# Altium PCB PCB1.PcbDoc (part 3 of 3)
Units mm, origin at the board's own origin, x right, y up, seen from the top; angles counter-clockwise.
Board outline 125 x 102 mm, 4 copper layers (Top Layer, Layer 1, Layer 2, Bottom Layer), stack 1.636 mm thick; 299 components, 151 nets, 856 pads, 587 vias.
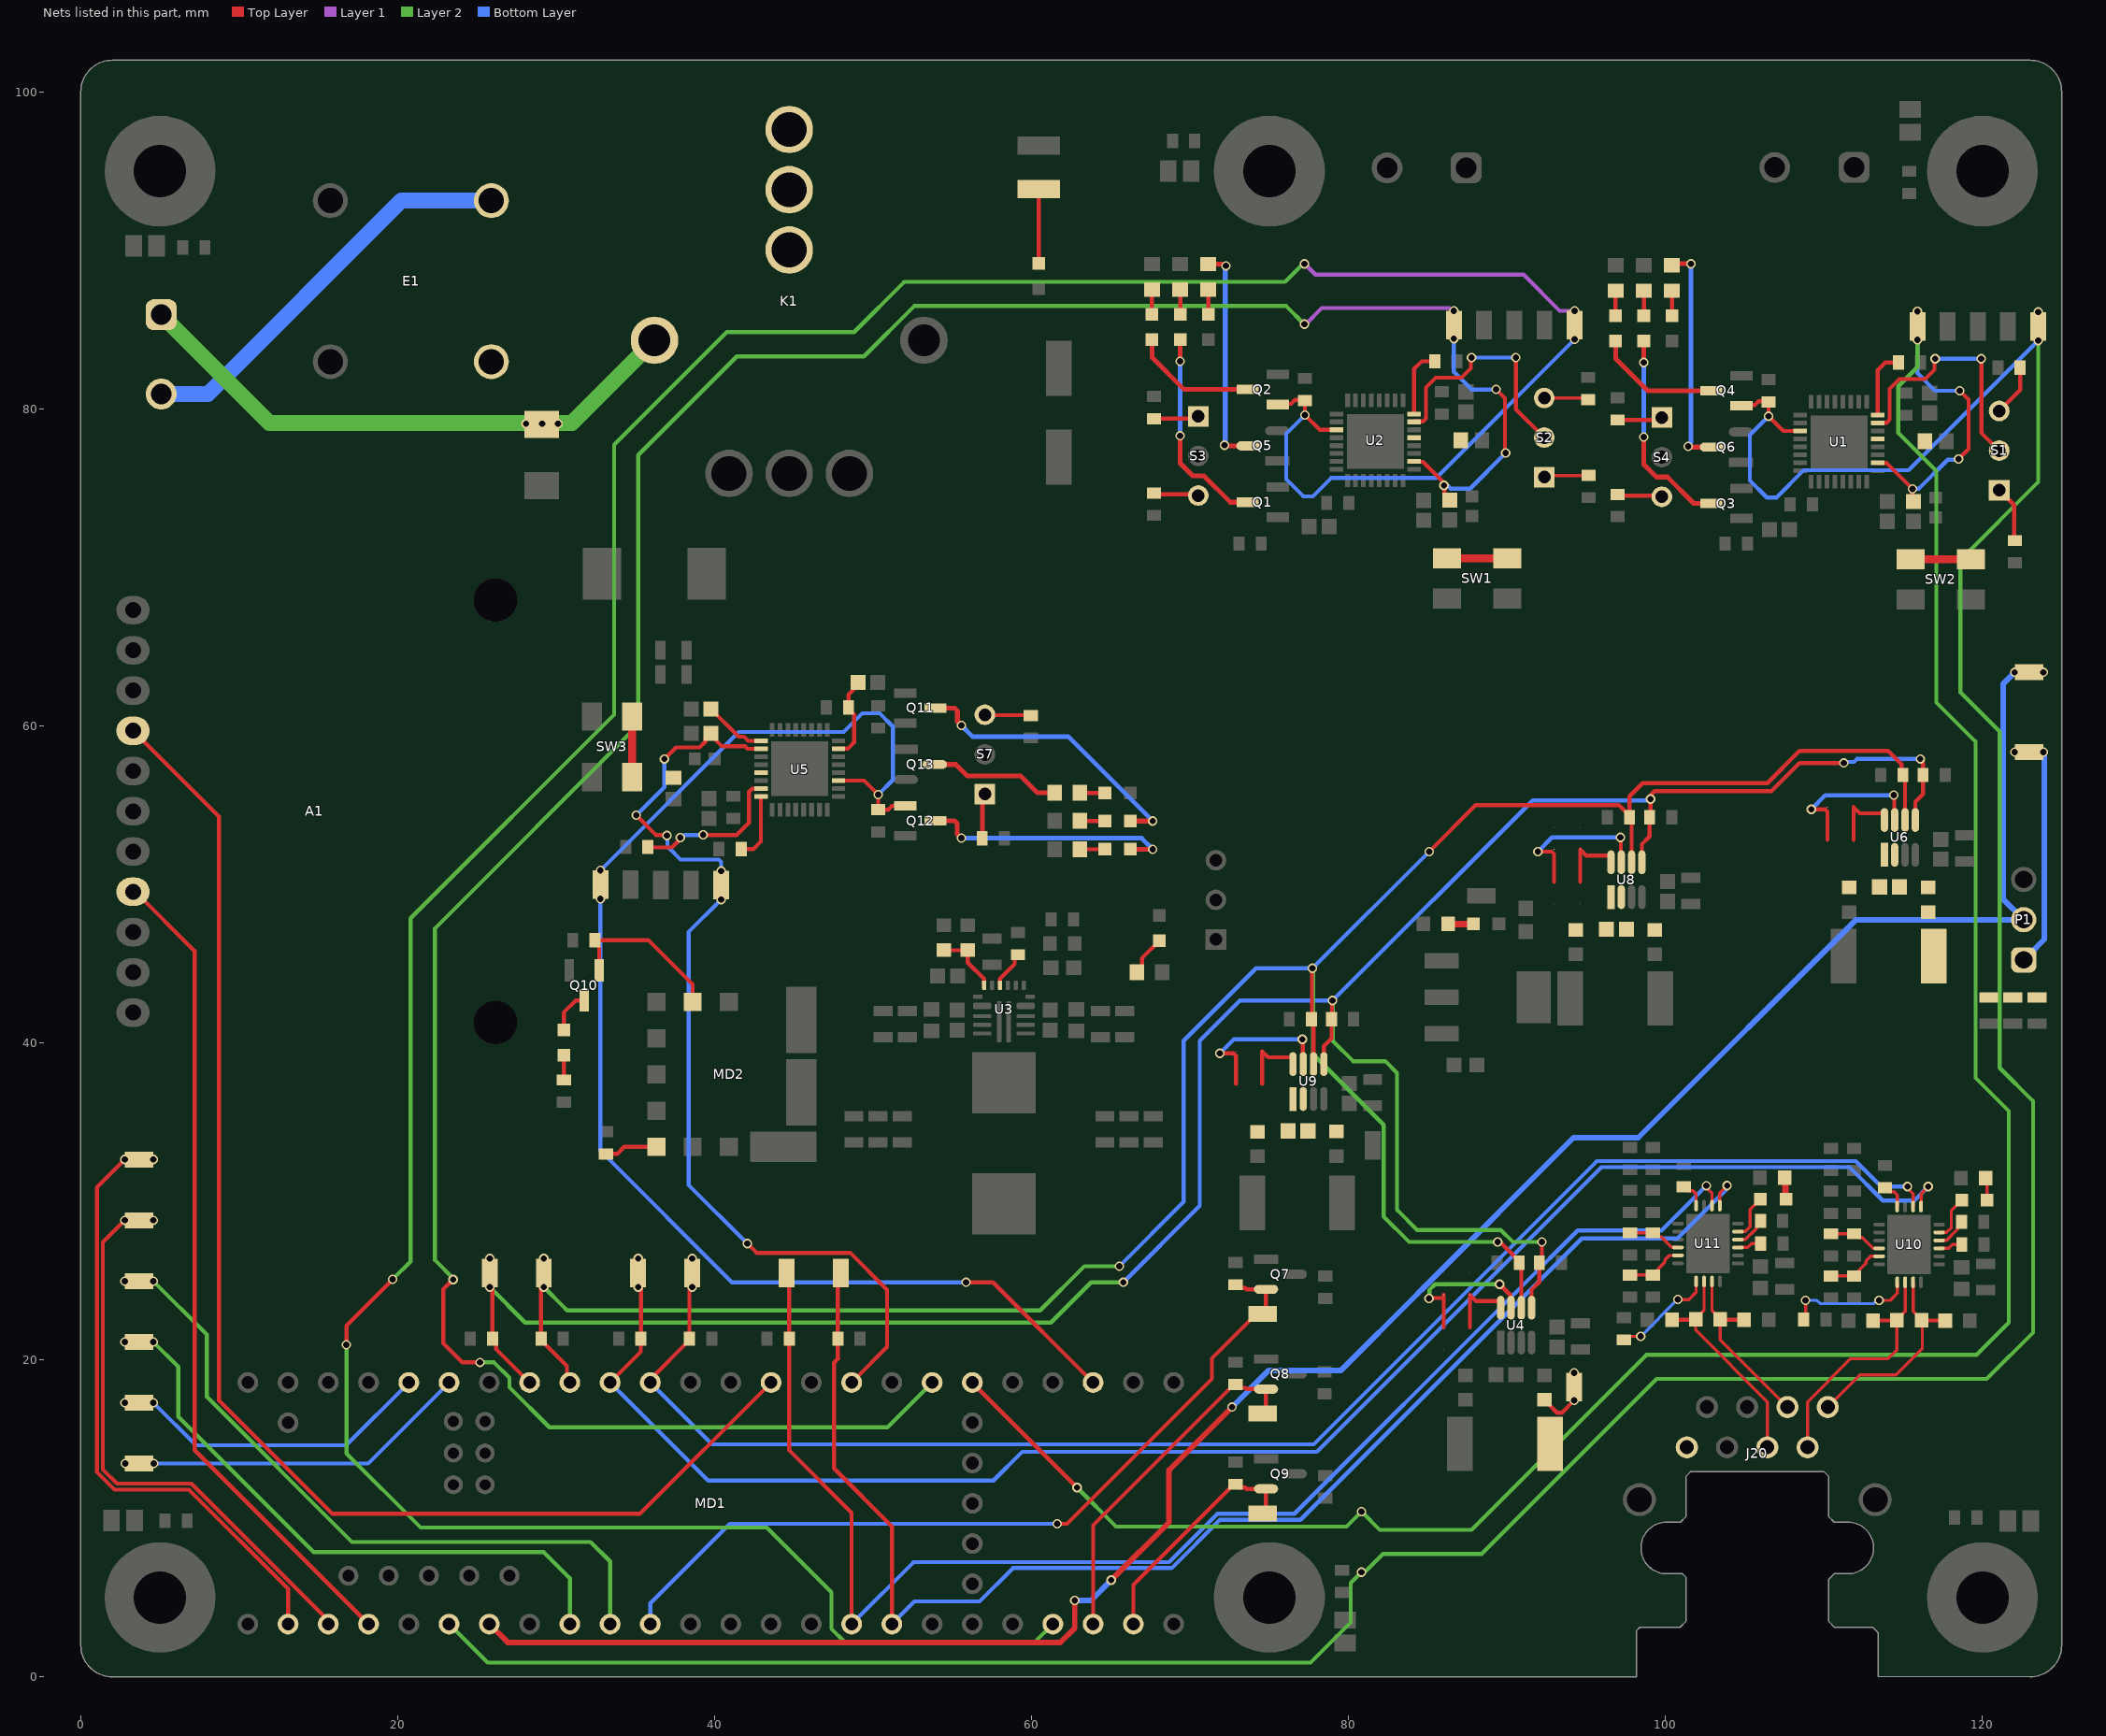
[diagram p5: the nets of this part, all layers, seen from the top]

## Via types
v1: diameter 0.6, hole 0.4, Top Layer to Bottom Layer, tented both sides, 572 vias
v2: diameter 0.6, hole 0.3, Top Layer to Bottom Layer, 8 vias
v3: diameter 0.6, hole 0.4, Top Layer to Bottom Layer, 4 vias
v4: diameter 1.27, hole 0.711, Top Layer to Bottom Layer, tented both sides, 3 vias

## Nets (pads, with @x,y where several pads share a name; then routed paths per layer and width w, separated by ;. In a path a pad name is that pad's centre, name@x,y a point inside that pad or via, vN(x,y) a via of type N, cw(c..) or ccw(c..) an arc to the next point about the centre after c; other vN are vias at no path point) (continued)
NetC34_2: C34.2 R57.1 U5.7 | length 5.6
  Top Layer w0.254: U5.7@47.811,58.553 47.834,58.576 48.426,58.576 48.795,58.945 48.795,60.728 48.445,61.078 R57.1@48.445,61.168 48.445,61.966 C34.2@49.217,62.738 ; C34.2@48.685,62.645 C34.2@48.836,62.495
NetC35_2: C35.2 U5.17 | length 4
  Top Layer w0.254: C35.2@39.765,61.066 41.512,59.319 41.849,59.319 42.115,59.053 U5.17@42.921,59.053
NetC38_1: C38.1 R65.2 U6.2
NetC38_2: C38.2 R61.2 U6.1
NetC43_1: C43.1 R79.2 U8.2
NetC43_2: C43.2 R77.2 U8.1
NetC46_1: C46.1 R84.2 U9.2
NetC46_2: C46.2 R82.2 U9.1
NetC50_2: C50.2 C51.2 C52.2 P1.1 R62.1 R65.1 TP27.1 | length 13.8
  Bottom Layer w0.35: P1.1@122.602,45.23 122.827,45.23 122.936,45.339 122.936,45.564 123.907,46.535 123.907,58.213 123.836,58.283 v1(123.836,58.351)
  other v1: 122.036,58.351
NetD1_1: D1.1 R23.2 | length 1.6
  Top Layer w0.254: D1.1@71.152,85.96 R23.2@71.152,87.535
NetD2_1: D2.1 R24.2 | length 1.6
  Top Layer w0.254: D2.1@100.406,85.882 R24.2@100.406,87.457
NetD3_1: D3.1 R25.2 | length 1.6
  Top Layer w0.254: D3.1@69.374,85.96 69.381,85.967 69.381,87.535 R25.2@69.374,87.535
NetD3_2: D3.2 Q1.3 | length 13.1
  Top Layer w0.3: v1(69.374,78.302) 69.374,76.577 70.169,75.782 70.865,75.782 72.536,74.111 Q1.3@73.631,74.111 ; v1(69.374,83.001) D3.2@69.374,84.36
  Bottom Layer w0.3: v1(69.374,78.302) v1(69.374,83.001)
NetD4_1: D4.1 R26.2 | length 1.6
  Top Layer w0.254: D4.1@67.596,85.96 R26.2@67.596,87.535
NetD4_2: D4.2 Q2.3 | length 8
  Top Layer w0.3: D4.2@67.596,84.36 67.596,83.255 69.628,81.223 73.639,81.223 Q2.3@73.631,81.223
NetD5_1: D5.1 R27.2 | length 1.6
  Top Layer w0.254: D5.1@98.628,85.882 98.635,85.889 98.635,87.457 R27.2@98.628,87.457
NetD5_2: D5.2 Q3.3 | length 13.1
  Top Layer w0.3: v1(98.628,78.224) 98.628,76.499 99.423,75.704 100.119,75.704 101.79,74.033 Q3.3@102.885,74.033 ; v1(98.628,82.923) D5.2@98.628,84.282
  Bottom Layer w0.3: v1(98.628,78.224) v1(98.628,82.923)
NetD6_1: D6.1 R28.2 | length 1.6
  Top Layer w0.254: D6.1@96.85,85.882 R28.2@96.85,87.457
NetD6_2: D6.2 Q4.3 | length 8
  Top Layer w0.3: D6.2@96.85,84.282 96.85,83.177 98.882,81.145 Q4.3@102.893,81.145
NetD7_1: D7.1 R41.2 | length 2.7
  Top Layer w0.254: R41.2@66.637,44.45 66.587,44.45 66.96,44.823 66.96,45.332 D7.1@68.072,46.444
NetD8_1: D8.1 R64.1 | length 1.4
  Top Layer w0.254: R64.1@30.48,37.784 D8.1@30.48,39.224
NetD8_2: D8.2 Q10.3 | length 2.7
  Top Layer w0.254: D8.2@30.48,40.824 30.48,41.91 31.235,42.665 31.756,42.665 Q10.3@31.767,42.676
NetD9_1: D9.1 R70.2 | length 1.6
  Top Layer w0.254: R70.2@63.049,55.772 D9.1@64.624,55.772
NetD10_1: D10.1 R71.2 | length 1.6
  Top Layer w0.254: R71.2@63.049,53.994 63.056,53.987 D10.1@64.624,53.987
NetD10_2: D10.2 Q11.3 | length 18.5
  Top Layer w0.3: Q11.3@53.936,61.12 55.144,61.12 55.32,60.945 55.32,60.277 v1(55.574,60.023) ; D10.2@66.224,53.994 v1(67.64,53.994)
  Bottom Layer w0.3: v1(55.574,60.023) 56.268,59.329 62.305,59.329 v1(67.64,53.994)
NetD11_1: D11.1 R72.2 | length 1.6
  Top Layer w0.254: R72.2@63.049,52.216 D11.1@64.624,52.216
NetD11_2: D11.2 Q12.3 | length 16.3
  Top Layer w0.3: Q12.3@53.928,54.008 55.136,54.008 55.312,53.833 55.312,53.165 v1(55.566,52.911) ; D11.2@66.224,52.216 v1(67.64,52.216)
  Bottom Layer w0.3: v1(55.566,52.911) 66.945,52.911 v1(67.64,52.216)
NetD12_1: D12.1 R74.1 | length 1.6
  Top Layer w0.4: R74.1@86.286,47.498 D12.1@87.884,47.498
NetD13_1: D13.1 J17.1 K1.86 | length 36.1
  Layer 2 w1: J17.1@5.076,85.939 11.894,79.121 28.092,79.121 29.108,79.121 30.997,79.121 K1.86@36.204,84.328
  other v1: 28.092,79.065 29.108,79.065 30.124,79.065
NetD14_1: D14.1 R85.2 | length 4.7
  Top Layer w0.254: D14.1@60.452,89.184 R85.2@60.452,93.867
NetD16_1: D16.1 U10.5 | length 2.9
  Top Layer w0.2: U10.5@117.264,28.033 117.272,28.042 117.73,28.042 118.036,28.348 118.036,29.437 D16.1@118.689,30.09
NetD16_2: D16.2 R100.1 | length 1.4
  Top Layer w0.2: R100.1@120.204,31.452 120.289,31.366 D16.2@120.289,30.09
NetD17_1: D17.1 U11.5 | length 2.9
  Top Layer w0.2: U11.5@104.571,28.09 104.579,28.098 105.037,28.098 105.343,28.404 105.343,29.493 D17.1@105.996,30.146
NetD17_2: D17.2 R116.1 | length 1.4
  Top Layer w0.4: R116.1@107.521,31.505 107.559,31.468 107.559,30.183 D17.2@107.596,30.146
NetE1_A1: E1.A1 J17.2 K1.30 | length 25.9
  Bottom Layer w1: J17.2@5.076,80.939 8.025,80.939 20.224,93.138 E1.A1@25.908,93.138
NetJ1_1: J1.1 J3.1 U4.8 | length 4.5
  Top Layer w0.254: J3.1@87.654,22.052 87.654,23.921 J1.1@87.654,24.1 87.743,24.01 88.043,23.711 89.507,23.711 89.6,23.618 U4.8@89.6,23.287
NetJ2_1: J2.1 J4.1 U4.7 | length 9.9
  Top Layer w0.254: v1(85.081,23.87) 85.104,23.893 86.003,23.893 ; J4.1@86.003,22.052 86.003,23.893 ; J2.1@86.003,24.1 86.003,23.893 ; v1(89.53,24.77) 90.211,24.089 90.211,23.326 U4.7@90.25,23.287
  Layer 2 w0.254: v1(85.081,23.87) 85.098,23.887 85.098,24.404 85.464,24.77 v1(89.53,24.77)
NetJ5_1: J5.1 J7.1 U6.8 | length 4.5
  Top Layer w0.254: J7.1@111.868,52.824 111.868,54.693 J5.1@111.868,54.872 112.257,54.483 113.721,54.483 113.814,54.39 U6.8@113.814,54.059
NetJ6_1: J6.1 J8.1 U6.7 | length 10
  Top Layer w0.254: v1(109.201,54.737) 109.207,54.731 110.069,54.731 110.217,54.583 J8.1@110.217,52.824 ; v1(114.408,55.626) 114.436,55.598 114.436,54.087 U6.7@114.464,54.059
  Bottom Layer w0.254: v1(109.201,54.737) 110.09,55.626 v1(114.408,55.626)
NetJ9_1: J9.1 J11.1 U8.8 | length 4.5
  Top Layer w0.254: J11.1@94.615,50.157 94.615,52.026 J9.1@94.615,52.205 95.004,51.816 96.468,51.816 96.561,51.723 U8.8@96.561,51.392
NetJ10_1: J10.1 J12.1 U8.7 | length 10
  Top Layer w0.254: v1(91.948,52.07) 91.954,52.064 92.815,52.064 92.964,51.916 J12.1@92.964,50.157 ; v1(97.155,52.959) 97.183,52.931 97.183,51.42 U8.7@97.211,51.392
  Bottom Layer w0.254: v1(91.948,52.07) 92.837,52.959 v1(97.155,52.959)
NetJ13_1: J13.1 J15.1 U9.8 | length 4.5
  Top Layer w0.254: J15.1@74.542,37.423 74.542,39.292 J13.1@74.542,39.471 74.931,39.082 76.395,39.082 76.488,38.989 U9.8@76.488,38.659
NetJ14_1: J14.1 J16.1 U9.7 | length 10
  Top Layer w0.254: v1(71.875,39.336) 71.88,39.331 72.742,39.331 72.891,39.182 J16.1@72.891,37.423 ; v1(77.082,40.225) 77.11,40.197 77.11,38.687 U9.7@77.138,38.659
  Bottom Layer w0.254: v1(71.875,39.336) 72.764,40.225 v1(77.082,40.225)
NetJ20_1: J20.1 R48.1 R54.1 TP26.1 | length 2.6
  Top Layer w0.254: R54.1@92.353,17.473 92.38,17.473 92.682,17.171 92.682,17.144 93.163,16.663 93.459,16.663 v1(94.234,17.438) ; R48.1@92.709,14.694 R48.1@92.734,14.669
  other v1: 94.234,19.188
NetJ20_5: J20.5 R102.1 R107.2 U11.18 | length 14
  Top Layer w0.2: R107.2@101.904,22.563 101.904,21.866 106.426,17.344 J20.5@106.426,14.478 ; R107.2@101.904,22.59 102.431,23.116 U11.18@102.431,24.949
  Top Layer w0.254: R102.1@100.406,22.536 R107.2@101.878,22.536
NetJ20_6: J20.6 R107.1 R115.2 U11.19 | length 11.4
  Top Layer w0.2: U11.19@102.931,24.949 102.931,23.116 103.458,22.59 R107.1@103.458,22.563 103.458,21.256 J20.6@107.696,17.018
  Top Layer w0.254: R107.1@103.458,22.563 103.484,22.536 R115.2@104.956,22.536
NetJ20_7: J20.7 R86.1 R87.2 U10.18 | length 15.9
  Top Layer w0.2: J20.7@108.966,14.478 108.966,17.344 111.688,20.066 114.046,20.066 114.597,20.617 R87.2@114.597,22.507 114.597,22.533 115.124,23.06 U10.18@115.124,24.893
  Top Layer w0.254: R86.1@113.099,22.48 114.57,22.48 R87.2@114.597,22.507
NetJ20_8: J20.8 R87.1 R95.2 U10.19 | length 13.4
  Top Layer w0.2: J20.8@110.236,17.018 112.256,19.038 114.542,19.038 116.204,20.7 116.204,22.48 115.624,23.06 U10.19@115.624,24.893
  Top Layer w0.254: R87.1@116.204,22.48 R95.2@117.649,22.48
NetMD1_0: MD1.0 TP30.1 | length 37.8
  Top Layer w0.254: v1(2.783,32.639) 1.016,30.872 1.016,12.923 2.128,11.811 6.827,11.811 13.081,5.557 MD1.0@13.081,3.327
  other v1: 4.583,32.639
NetMD1_1: MD1.1 TP31.1 | length 34.7
  Top Layer w0.254: v1(2.783,28.804) 1.397,27.418 1.397,13.081 2.286,12.192 6.985,12.192 15.621,3.556 MD1.1@15.621,3.327
  other v1: 4.583,28.804
NetMD1_5: MD1.5 P1.2 TP11.1 | length 135.6
  Top Layer w0.35: MD1.5@25.781,3.327 26.94,2.168 61.821,2.168 62.722,3.069 v1(62.722,4.81) ; v1(65.024,6.096) 68.664,9.736 68.664,13.038 v1(72.644,17.018)
  Bottom Layer w0.35: v1(62.722,4.81) 63.738,4.81 v1(65.024,6.096) ; v1(72.644,17.018) 74.963,19.337 79.526,19.337 84.352,24.164 84.352,24.172 84.779,24.599 84.788,24.599 94.199,34.011 98.273,34.011 112.032,47.77 P1.2@122.602,47.77 121.297,49.075 121.297,62.64 v1(122.036,63.38)
  other v1: 123.836,63.38
NetMD1_7: MD1.7 TP32.1 | length 37.2
  Layer 2 w0.254: v1(4.583,21.133) 6.159,19.557 6.159,16.405 14.69,7.874 29.21,7.874 30.861,6.223 MD1.7@30.861,3.327
  other v1: 2.783,21.133
NetMD1_8: MD1.8 TP33.1 | length 42.4
  Layer 2 w0.254: v1(4.583,24.968) 7.955,21.597 7.955,17.668 17.114,8.509 32.167,8.509 33.401,7.275 MD1.8@33.401,3.327
  other v1: 2.783,24.968
NetMD1_9: MD1.9 Q7.2 R29.1 TP12.1 | length 52
  Top Layer w0.254: v1(61.617,9.652) 62.23,9.652 71.374,18.796 71.374,20.087 74.188,22.901 TP12.1@74.588,22.901 74.791,23.104 Q7.2@74.791,24.45 73.561,24.45 73.481,24.53 73.071,24.53 R29.1@72.861,24.741
  Bottom Layer w0.254: MD1.9@35.941,3.327 35.941,4.637 40.956,9.652 v1(61.617,9.652)
NetMD1_21: MD1.21 TP34.1 | length 20.8
  Bottom Layer w0.254: v1(4.602,13.462) 18.136,13.462 MD1.21@23.241,18.567
  other v1: 2.802,13.462
NetMD1_22: MD1.22 TP35.1 | length 18.9
  Bottom Layer w0.254: v1(4.583,17.297) 7.275,14.605 16.739,14.605 MD1.22@20.701,18.567
  other v1: 2.783,17.297
NetMD1_30: MD1.30 Q8.2 R32.1 TP13.1 | length 22.6
  Top Layer w0.254: MD1.30@63.881,3.327 63.881,9.565 72.761,18.444 R32.1@72.861,18.444 73.071,18.234 73.481,18.234 73.561,18.154 Q8.2@74.791,18.154 74.791,16.808 TP13.1@74.588,16.604
NetMD1_31: MD1.31 Q9.2 R34.1 TP14.1 | length 15.2
  Top Layer w0.254: MD1.31@66.421,3.327 66.421,5.809 72.761,12.148 R34.1@72.861,12.148 73.071,11.938 73.481,11.938 73.561,11.858 Q9.2@74.791,11.858 74.791,10.512 TP14.1@74.588,10.308
NetMD2_6: MD2.6 R63.2 | length 3.4
  Top Layer w0.254: R63.2@33.147,32.988 33.843,32.988 34.289,33.434 MD2.6@36.322,33.434
NetQ5_3: Q5.3 R23.1 | length 14.1
  Top Layer w0.3: R23.1@71.152,89.135 72.073,89.135 72.182,89.027 v1(72.263,89.027) ; v1(72.168,77.712) 72.168,77.667 Q5.3@73.679,77.667
  Bottom Layer w0.3: v1(72.168,77.712) 72.215,77.76 72.215,88.979 v1(72.263,89.027)
NetQ6_3: Q6.3 R24.1 | length 14.4
  Top Layer w0.3: R24.1@100.406,89.057 100.503,89.154 v1(101.6,89.154) ; v1(101.422,77.634) 101.422,77.589 Q6.3@102.933,77.589
  Bottom Layer w0.3: v1(101.422,77.634) 101.422,77.715 101.6,77.893 v1(101.6,89.154)
NetQ13_3: Q13.3 R70.1 | length 8.3
  Top Layer w0.3: Q13.3@53.888,57.564 55.212,57.564 55.947,56.829 59.318,56.829 60.375,55.772 R70.1@61.449,55.772
NetR1_1: R1.1 S1.1 | length 3.6
  Top Layer w0.254: S1.1@121.056,74.868 121.996,73.929 R1.1@121.996,71.693
NetR2_1: R2.1 S2.1 | length 2.8
  Top Layer w0.2: S2.1@92.349,75.69 92.461,75.801 R2.1@95.143,75.801
NetR3_1: R3.1 S1.3 | length 3.5
  Top Layer w0.254: S1.3@121.056,79.868 122.377,81.189 122.377,82.451 122.527,82.601 R3.1@122.377,82.601
NetR4_1: R4.1 S2.3 | length 2.8
  Top Layer w0.2: S2.3@92.349,80.69 94.988,80.69 R4.1@95.098,80.58
NetR7_2: R7.2 U1.24 | length 4.3
  Top Layer w0.254: U1.24@113.392,79.601 113.392,82.447 113.868,82.923 R7.2@114.692,82.923
NetR8_2: R8.2 U2.24 | length 4.3
  Top Layer w0.254: U2.24@84.138,79.68 84.138,82.525 84.614,83.001 R8.2@85.438,83.001
NetR15_1: R15.1 S3.1 | length 2.9
  Top Layer w0.254: R15.1@67.723,79.38 70.365,79.38 S3.1@70.517,79.532
NetR16_1: R16.1 S3.3 | length 2.9
  Top Layer w0.254: R16.1@67.723,74.684 67.799,74.608 70.441,74.608 S3.3@70.517,74.532
NetR17_1: R17.1 S4.1 | length 2.9
  Top Layer w0.254: R17.1@96.977,79.302 99.619,79.302 S4.1@99.771,79.454
NetR18_1: R18.1 S4.3 | length 2.9
  Top Layer w0.254: R18.1@96.977,74.606 97.053,74.53 99.695,74.53 S4.3@99.771,74.454
NetR45_1: R45.1 U3.16 | length 2.3
  Top Layer w0.254: U3.16@58.006,43.636 58.004,43.638 58.004,44.046 58.934,44.976 58.934,45.475 R45.1@59.018,45.558
NetR49_2: R49.2 R55.1 U3.18 | length 4.2
  Top Layer w0.254: R55.1@54.465,45.863 54.488,45.839 55.946,45.839 R49.2@55.97,45.863 55.97,45.06 57.006,44.024 U3.18@57.006,43.636
NetR50_2: R50.2 U5.23 | length 9.9
  Top Layer w0.254: R50.2@35.79,52.356 35.822,52.324 37.302,52.324 37.827,52.849 v1(37.827,52.942) ; v1(39.27,53.119) 41.401,53.119 42.169,53.887 42.169,55.837 42.361,56.029 42.898,56.029 U5.23@42.921,56.052
  Bottom Layer w0.254: v1(37.827,52.942) 37.921,52.942 38.098,53.119 v1(39.27,53.119)
NetR53_2: R53.2 U5.24 | length 4.3
  Top Layer w0.254: R53.2@41.669,52.23 42.445,52.23 42.921,52.706 U5.24@42.921,55.552
NetR66_1: R66.1 S7.1 | length 2.7
  Top Layer w0.3: R66.1@56.898,53.073 56.898,55.547 S7.1@57.05,55.699
NetR67_2: R67.2 S7.3 | length 2.9
  Top Layer w0.254: S7.3@57.05,60.699 57.078,60.672 59.916,60.672 R67.2@59.944,60.644
NetR92_2: R92.2 U10.17 | length 8.1
  Top Layer w0.2: R92.2@108.724,22.54 108.839,22.655 v1(108.839,23.749) ; v1@113.466,23.755 v1(113.475,23.755) 113.483,23.755 113.489,23.75 114.172,23.75 114.624,24.201 U10.17@114.624,24.893
  Bottom Layer w0.2: v1(108.839,23.749) 109.566,23.749 109.767,23.547 113.158,23.547 113.366,23.755 v1(113.475,23.755)
NetR93_2: R93.2 U10.10 | length 1.7
  Top Layer w0.2: R93.2@113.847,30.862 114.096,30.613 114.422,30.613 114.624,30.412 U10.10@114.624,29.674
NetR94_2: R94.2 U10.3 | length 1.5
  Top Layer w0.2: U10.3@117.264,27.033 117.272,27.042 117.878,27.042 118.114,27.277 R94.2@118.701,27.277
NetR101_2: R101.2 U10.4 | length 2
  Top Layer w0.2: U10.4@117.264,27.533 117.27,27.539 117.739,27.539 118.438,28.238 118.438,28.46 R101.2@118.688,28.71
NetR108_2: R108.2 U11.17 | length 6.5
  Top Layer w0.2: R108.2@97.371,21.257 97.591,21.477 v1(98.439,21.477) ; v1(100.773,23.812) 100.79,23.812 100.796,23.806 101.479,23.806 101.931,24.257 U11.17@101.931,24.949
  Bottom Layer w0.2: v1(98.439,21.477) v1(100.773,23.812)
NetR113_2: R113.2 U11.10 | length 1.7
  Top Layer w0.2: R113.2@101.154,30.918 101.403,30.669 101.73,30.669 101.931,30.468 U11.10@101.931,29.73
NetR114_2: R114.2 U11.3 | length 1.5
  Top Layer w0.2: U11.3@104.571,27.09 104.579,27.098 105.185,27.098 105.421,27.333 R114.2@106.008,27.333
NetR117_2: R117.2 U11.4 | length 2
  Top Layer w0.2: U11.4@104.571,27.59 104.577,27.595 105.046,27.595 105.745,28.294 105.745,28.517 R117.2@105.995,28.767
NetS1_2: S1.2 U1.23 | length 16
  Top Layer w0.254: U1.23@113.392,79.101 113.415,79.124 113.953,79.124 114.144,79.316 114.144,81.266 114.764,81.886 116.377,81.886 116.97,82.479 116.97,83.114 v1(117.016,83.16) ; v1(119.929,83.16) 119.929,78.496 S1.2@121.056,77.368
  Bottom Layer w0.254: v1(117.016,83.16) v1(119.929,83.16)
NetS2_2: S2.2 U2.23 | length 15.4
  Top Layer w0.254: U2.23@84.138,79.18 84.161,79.203 84.698,79.203 84.89,79.394 84.89,81.344 85.509,81.964 87.123,81.964 87.716,82.557 87.716,83.192 v1(87.762,83.238) ; v1(90.556,83.238) 90.556,79.983 S2.2@92.349,78.19
  Bottom Layer w0.254: v1(87.762,83.238) v1(90.556,83.238)
OC_5V: MD1.35 Q12.1 R69.1 TP24.1 U5.3 | length 86.4
  Top Layer w0.254: U5.3@47.811,56.552 49.426,56.552 v1(50.319,55.659) R69.1@50.319,54.708 ; R69.1@50.319,54.611 R69.1@50.319,54.708 ; Q12.1@52.028,54.958 51.197,54.958 50.947,54.708 R69.1@50.319,54.708 ; v1@55.88,24.892 57.556,24.892 MD1.35@63.881,18.567
  Bottom Layer w0.254: v1(32.793,49.085) 32.793,33.185 41.086,24.892 v1(55.867,24.892) ; v1(32.793,50.885) 41.517,59.609 48.132,59.609 49.314,60.791 50.417,60.791 51.254,59.954 51.254,56.594 v1(50.319,55.659)
OC_ARM_L: MD1.4 Q4.1 R22.1 TP8.1 U1.3 | length 210
  Top Layer w0.254: Q4.1@104.793,80.236 105.624,80.236 105.874,80.486 106.502,80.486 v1(106.502,79.535) 107.436,78.601 U1.3@108.502,78.601
  Layer 2 w0.254: MD1.4@23.241,3.327 25.679,0.889 77.597,0.889 80.137,3.429 80.137,5.923 v1(80.818,6.604) 80.851,6.637 80.884,6.67 81.092,6.67 82.169,7.747 88.392,7.747 99.441,18.796 120.265,18.796 123.19,21.721 123.19,36.322 121.087,38.425 121.087,59.634 118.618,62.103 118.618,70.484 123.52,75.386 v1(123.52,84.309)
  Bottom Layer w0.254: v1(106.502,79.535) 105.325,78.358 105.325,75.483 106.405,74.403 106.999,74.403 108.722,76.126 115.337,76.126 v1(123.52,84.309)
  other v1: 123.52,86.109
OC_ARM_R: MD1.29 Q2.1 R20.1 TP7.1 U2.3 | length 221
  Top Layer w0.254: v1(16.764,20.955) 16.764,22.144 19.68,25.06 v1(19.68,25.07) ; Q2.1@75.539,80.314 76.37,80.314 76.62,80.564 77.248,80.564 R20.1@77.248,80.523 v1(77.248,79.613) 78.182,78.68 U2.3@79.248,78.68
  Layer 1 w0.254: v1@77.228,89.152 77.909,88.471 91.04,88.471 93.324,86.187 v1(94.266,86.187)
  Layer 2 w0.254: v1(16.764,20.955) 16.764,14.097 21.444,9.417 43.288,9.417 47.371,5.334 47.371,3.026 48.181,2.216 60.23,2.216 61.316,3.302 61.341,3.302 MD1.29@61.341,3.327 ; v1(19.68,25.07) 20.815,26.206 20.815,47.866 33.655,60.706 33.655,77.738 40.766,84.849 48.802,84.849 51.964,88.011 75.992,88.011 77.135,89.154 v1(77.216,89.154)
  Bottom Layer w0.254: v1(77.248,79.613) 76.07,78.436 76.07,75.561 77.15,74.481 77.745,74.481 78.9,75.637 85.515,75.637 v1(94.266,84.387)
PGOOD_5V: MD2.10 Q10.1 R58.1 | length 10.4
  Top Layer w0.254: Q10.1@32.717,44.576 32.717,46.115 32.45,46.382 R58.1@32.45,46.482 35.814,46.482 38.608,43.688 38.608,43.434 MD2.10@38.608,42.578
RST: A1.8 MD1.2 | length 52.4
  Top Layer w0.254: A1.8@3.302,49.53 3.452,49.53 7.193,45.789 7.193,14.296 MD1.2@18.161,3.327
SCK: A1.4 MD1.13 | length 85.7
  Top Layer w0.254: A1.4@3.302,59.69 8.717,54.275 8.717,17.445 15.875,10.287 35.281,10.287 MD1.13@43.561,18.567
SCL0: MD1.19 R40.1 R43.2 R59.2 R75.2 R80.2 TP20.1 U4.5 U6.5 U8.5 U9.5 | length 162.9
  Top Layer w0.254: TP20.1@25.806,25.488 25.98,25.315 R40.1@25.98,21.336 26.203,21.113 26.203,20.686 MD1.19@28.321,18.567 ; U9.5@78.438,38.659 78.438,39.799 78.922,40.283 R80.2@78.922,41.495 78.958,41.531 78.958,42.636 v1(78.994,42.672) ; U4.5@91.55,23.287 91.55,24.427 92.034,24.911 R43.2@92.034,26.124 92.19,26.28 92.19,26.574 92.202,26.586 v1(92.202,27.432) ; U8.5@98.511,51.392 98.511,52.533 98.995,53.017 R75.2@98.995,54.229 99.06,54.294 v1(99.06,55.38) 99.06,55.626 99.314,55.88 106.68,55.88 108.458,57.658 v1(111.252,57.658) ; U6.5@115.764,54.059 115.764,55.2 116.248,55.684 R59.2@116.248,56.896 116.248,57.648
  Layer 2 w0.254: v1(25.806,24.588) 28.042,22.352 61.214,22.352 63.754,24.892 v1(65.786,24.892) ; v1(78.994,42.672) 78.994,40.132 80.283,38.843 82.315,38.843 83.058,38.1 83.058,29.464 84.328,28.194 89.609,28.194 90.371,27.432 v1(92.202,27.432)
  Bottom Layer w0.254: v1(65.786,24.892) 70.612,29.718 70.612,40.132 73.152,42.672 v1(78.994,42.672) 91.619,55.297 98.883,55.297 98.9,55.314 99.043,55.314 99.06,55.297 v1(99.06,55.38) ; v1(111.252,57.658) 111.318,57.724 111.894,57.724 112.082,57.912 v1(116.078,57.912)
  other v1: 25.806,26.388
SCL1: MD1.16 R38.1 TP18.1 U10.8 | length 98.4
  Top Layer w0.2: v1(115.271,30.93) 115.271,30.821 115.624,30.469 U10.8@115.624,29.674
  Top Layer w0.254: MD1.16@35.941,18.567 35.941,18.767 38.41,21.236 R38.1@38.41,21.336 38.41,25.315 TP18.1@38.583,25.488
  Bottom Layer w0.254: MD1.16@35.941,18.567 39.841,14.668 77.8,14.668 95.67,32.538 111.998,32.538 113.606,30.93 v1(115.271,30.93)
  other v1: 38.583,24.588 38.583,26.388
SCL2: MD1.24 R36.1 TP16.1 U11.8 | length 90.7
  Top Layer w0.2: v1(102.578,30.986) 102.578,30.878 102.931,30.525 U11.8@102.931,29.73
  Top Layer w0.254: TP16.1@44.536,25.488 44.709,25.315 44.709,14.279 48.641,10.347 MD1.24@48.641,3.327
  Bottom Layer w0.254: MD1.24@48.641,3.327 52.553,7.239 68.676,7.239 71.724,10.287 76.581,10.287 90.467,24.173 90.476,24.173 90.875,24.572 90.875,24.581 94.457,28.163 99.756,28.163 v1(102.578,30.986)
SDA0: MD1.18 R39.1 R44.2 R60.2 R76.2 R81.2 TP19.1 U4.6 U6.6 U8.6 U9.6 | length 158.6
  Top Layer w0.254: TP19.1@29.219,25.488 29.045,25.315 R39.1@29.045,21.336 29.045,21.236 30.679,19.602 30.679,18.749 MD1.18@30.861,18.567 ; R81.2@77.655,41.495 77.689,41.53 77.689,44.669 v1(77.724,44.704) ; U9.6@77.788,38.659 R81.2@77.788,41.401 ; v1(85.09,52.07) 88.026,55.006 97.051,55.006 97.609,54.448 R76.2@97.728,54.448 ; v1(89.408,27.432) 89.474,27.366 89.625,27.366 90.767,26.224 R44.2@90.767,26.124 ; U4.6@90.9,23.287 R44.2@90.9,26.029 ; R76.2@97.728,54.229 R76.2@97.728,54.448 ; U8.6@97.861,51.392 R76.2@97.861,54.134 ; R60.2@114.981,56.896 114.888,56.99 114.888,57.578 114.046,58.42 108.458,58.42 106.426,56.388 98.552,56.388 97.728,55.564 R76.2@97.728,54.448 ; U6.6@115.114,54.059 R60.2@115.114,56.801
  Layer 2 w0.254: v1(29.219,24.588) 30.444,23.363 30.693,23.114 60.539,23.114 63.333,25.908 v1(65.532,25.908) ; v1(77.724,44.704) 77.763,44.665 77.763,39.278 82.215,34.826 82.215,29.037 83.82,27.432 v1(89.408,27.432)
  Bottom Layer w0.254: v1(65.532,25.908) 69.596,29.972 69.596,40.132 74.168,44.704 v1(77.724,44.704) v1(85.09,52.07)
  other v1: 29.219,26.388
SDA1: MD1.17 R37.1 TP17.1 U10.7 | length 104.7
  Top Layer w0.2: U10.7@116.124,29.674 116.124,30.477 v1(116.579,30.932)
  Top Layer w0.254: MD1.17@33.401,18.567 33.401,18.923 33.528,19.05 33.666,18.912 33.745,18.912 35.339,20.505 35.339,21.33 R37.1@35.344,21.336 35.344,25.315 TP17.1@35.171,25.488
  Bottom Layer w0.254: MD1.17@33.401,18.567 39.592,12.376 57.588,12.376 59.409,14.197 77.995,14.197 95.955,32.157 111.607,32.157 113.716,30.048 115.695,30.048 v1(116.579,30.932)
  other v1: 35.171,24.588 35.171,26.388
SDA2: MD1.25 R35.1 TP15.1 U11.7 | length 89.6
  Top Layer w0.2: U11.7@103.431,29.73 103.431,30.533 v1(103.886,30.988)
  Top Layer w0.254: TP15.1@47.948,25.488 47.775,25.315 R35.1@47.775,21.336 47.775,20.115 47.802,20.087 47.53,19.815 47.53,13.146 51.181,9.495 MD1.25@51.181,3.327
  Bottom Layer w0.254: MD1.25@51.181,3.327 52.61,4.756 56.721,4.756 58.823,6.858 68.834,6.858 71.882,9.906 76.962,9.906 94.719,27.663 100.754,27.663 103.82,30.729 103.82,30.922 v1(103.886,30.988)
SPD1_0: R90.1 R98.2 U10.14 | length 3.4
  Top Layer w0.2: R90.1@110.445,27.957 R98.2@111.896,27.957 112.146,27.707 112.422,27.707 113.088,27.042 113.475,27.042 U10.14@113.483,27.033
SPD1_1: R105.1 R111.2 U11.14 | length 3.4
  Top Layer w0.2: R105.1@97.752,28.013 R111.2@99.203,28.013 99.453,27.763 99.729,27.763 100.395,27.098 100.782,27.098 U11.14@100.79,27.09
SPD2_0: R91.1 R99.2 U10.15 | length 3.6
  Top Layer w0.2: R91.1@110.445,25.295 111.858,25.295 112.646,26.083 112.646,26.231 112.822,26.407 112.943,26.528 113.477,26.528 U10.15@113.483,26.533
SPD2_1: R106.1 R112.2 U11.15 | length 3.6
  Top Layer w0.2: R106.1@97.752,25.351 99.165,25.351 99.953,26.139 99.953,26.287 100.129,26.463 100.25,26.584 100.784,26.584 U11.15@100.79,26.59
VDD_5V: C31.2 SW3.2 SW3.3 U5.21 | length 3.8
  Top Layer w0.5: SW3.3@34.798,56.769 SW3.2@34.798,60.579
VDD_L: C3.2 SW2.2 SW2.3 U1.21 | length 4
  Top Layer w0.254: C3.2@116.368,77.97 C3.2@116.568,77.97
  Top Layer w0.5: SW2.2@115.46,70.51 SW2.3@119.27,70.51
VDD_R: C4.2 SW1.2 SW1.3 U2.21 | length 3.8
  Top Layer w0.5: SW1.2@86.208,70.584 SW1.3@90.018,70.584
Vtemp_5V: C33.2 MD1.41 TP22.1 U5.18 | length 60
  Top Layer w0.254: v1(35.052,54.356) 36.304,53.104 36.967,53.104 v1(36.985,53.086) ; v1(36.83,57.912) 37.563,58.645 39.048,58.645 39.418,59.015 39.418,59.177 39.643,59.403 39.766,59.403 40.449,58.72 41.909,58.72 42.076,58.553 U5.18@42.921,58.553 ; v1(42.063,27.331) 42.644,26.751 48.547,26.751 50.885,24.414 50.885,20.811 48.87,18.796 48.768,18.796 48.641,18.669 MD1.41@48.641,18.567
  Bottom Layer w0.254: v1(35.052,54.356) 36.83,56.134 v1(36.83,57.912) ; v1(36.985,53.086) 37.019,53.052 37.019,52.405 37.146,52.278 37.146,52.262 37.846,51.562 38.862,51.562 40.264,51.562 40.413,51.413 v1(40.413,50.844) ; v1(40.413,49.044) 40.408,49.044 38.354,46.99 38.354,31.041 v1(42.063,27.331)
Vtemp_L: C7.2 MD1.38 TP4.1 U1.18 | length 158.3
  Top Layer w0.254: MD1.38@56.261,18.567 56.261,18.542 v1(62.865,11.938) ; U1.18@113.392,76.601 113.415,76.578 113.96,76.578 v1(115.58,74.957) 115.58,74.216 C7.2@115.646,74.15 ; v1(118.491,76.835) 119.122,77.466 119.122,80.59 v1(118.567,81.145)
  Layer 2 w0.254: v1(62.865,11.938) 65.324,9.479 79.872,9.479 80.807,10.414 v1(80.818,10.414) 80.828,10.414 81.971,9.271 87.761,9.271 98.81,20.32 119.634,20.32 121.666,22.352 121.666,35.691 119.563,37.794 119.563,59.003 117.094,61.472 117.094,76.088 114.688,78.494 114.688,81.419 115.9,82.631 v1(115.9,84.35)
  Bottom Layer w0.254: v1(115.58,74.957) 115.978,74.957 117.81,76.789 118.445,76.789 v1(118.491,76.835) ; v1(115.9,84.35) 115.9,82.255 117.01,81.145 v1(118.567,81.145)
  other v1: 115.9,86.15
Vtemp_R: C8.2 MD1.39 TP3.1 U2.18 | length 171
  Top Layer w0.254: v1(23.495,25.065) 22.869,24.439 22.869,21.054 24.086,19.837 v1(25.19,19.837) ; U2.18@84.138,76.679 84.161,76.656 84.698,76.656 85.95,75.404 85.95,75.241 86.044,75.147 86.044,74.586 86.351,74.279 C8.2@86.392,74.279 ; v1(89.313,81.223) 89.868,80.668 89.868,77.264 v1(89.916,77.216)
  Layer 1 w0.254: v1(77.216,85.344) 77.297,85.344 78.313,86.36 86.379,86.36 86.552,86.187 v1(86.646,86.187)
  Layer 2 w0.254: v1(23.495,25.065) 23.495,25.146 22.352,26.289 22.352,47.23 35.179,60.057 35.179,77.089 41.402,83.312 49.42,83.312 52.595,86.487 76.062,86.487 77.205,85.344 v1(77.216,85.344) ; v1(25.19,19.837) 26.082,19.837 27.051,18.869 27.051,18.266 29.569,15.748 50.902,15.748 MD1.39@53.721,18.567
  Bottom Layer w0.254: v1(86.016,75.175) 86.082,75.109 86.308,75.109 86.45,74.967 87.667,74.967 v1(89.916,77.216) ; v1(86.646,84.428) 86.646,82.333 87.756,81.223 v1(89.313,81.223)
pads on no net: A1.2 A1.10 A1.11 A1.MH1 A1.MH2 J20.3 J20.4 MD1.3.3V_1 MD1.3.3V_2 MD1.3.3V_3 MD1.5V MD1.14 MD1.15 MD1.20 MD1.23 MD1.28 MD1.32 MD1.36 MD1.37 MD1.D+ MD1.D- MD1.LED MD1.ON/OFF MD1.PROGRAM MD1.R+ MD1.R- MD1.T+ MD1.T- MD1.VBAT MD1.VUSB MD2.8 MD2.9 MD2.11 MD2.12 S5.3 U1.1 U1.2 U1.6 U1.8 U2.1 U2.2 U2.6 U2.8 U3.14 U5.1 U5.2 U5.6 U5.8 U10.6 U10.9 U10.13 U10.20 U11.6 U11.9 U11.13 U11.20

## Polygon pours and split planes (outlines as drawn)
CHASSIS on Top Layer "CHASSIS_L01_P137" (solid, pour order 137): 114.879,94.288 115.879,94.288 116.429,93.738 116.429,92.738 117.667,91.5 120,91.5 120,98.5 115.866,98.5 114.501,97.135 114.501,94.666
CHASSIS on Top Layer "CHASSIS_L01_P136" (solid, pour order 136): 71.034,98.5 75,98.5 75,91.5 72.965,91.5 71.6,92.865 70.711,92.865 69.501,94.075 69.501,96.967
CHASSIS on Top Layer "CHASSIS_L01_P135" (solid, pour order 135): 4.288,89.879 4.288,90.879 3.738,91.429 2.738,91.429 1.5,92.667 1.5,95 8.5,95 8.5,92.223 7.135,90.857 7.135,89.501 4.666,89.501
CHASSIS on Top Layer "CHASSIS_L01_P133" (solid, pour order 133): 5.712,10.121 5.712,9.121 6.262,8.571 7.262,8.571 8.5,7.333 8.5,5 1.5,5 1.5,7.777 2.865,9.143 2.865,10.499 5.334,10.499
CHASSIS on Top Layer "CHASSIS_L01_P132" (solid, pour order 132): 80.121,5.712 79.121,5.712 78.571,6.262 78.571,7.262 77.333,8.5 75,8.5 75,1.5 77.777,1.5 79.143,2.865 80.499,2.865 80.499,5.334
CHASSIS on Top Layer "CHASSIS_L01_P125" (solid, pour order 125): 119.288,10.121 119.288,9.121 118.738,8.571 117.738,8.571 116.5,7.333 116.5,5 123.5,5 123.5,7.777 122.135,9.143 122.135,10.499 119.666,10.499
GND on Top Layer "GND" (solid, remove dead copper, pour order 140): 0,2 0,100 cw(c2,100) 2,102 123,102 cw(c123,100) 125,100 125,2 cw(c123,2) 123,0 2,0 cw(c2,2)
NetJ20_1 on Top Layer "Top Layer-No Net" (solid, pour order 87): 93.521,13.017 101.663,13.017 102.616,13.97 102.616,15.494 101.739,16.371 94.341,16.371 92.809,17.902 91.897,17.902 91.897,12.974 93.521,12.974
VDD_L on Top Layer "VDD_L_L01_P086" (solid, pour order 86): 118.366,74.488 118.366,69.864 120.156,69.864 120.162,69.87 120.162,74.598 116.818,77.942 116.818,78.47 114.368,78.47 114.149,78.251 112.967,78.251 112.967,77.951 114.903,77.951
VDD_R on Top Layer "VDD_R_L01_P055" (solid, pour order 55): 89.111,74.567 89.111,69.942 90.901,69.942 90.908,69.949 90.908,74.676 87.564,78.02 87.564,78.548 85.114,78.548 84.895,78.329 83.713,78.329 83.713,78.029 85.649,78.029
VDD_5V on Top Layer "VDD_5V_L01_P057" (solid, pour order 57): 34.207,56.252 34.207,57.202 41.41,57.202 43.346,57.202 43.346,56.902 42.164,56.902 41.513,56.252
+3v3 on Top Layer "+3V3_L01_P065" (solid, pour order 65): 91.322,20.561 ccw(c91.55,20.561) 91.55,20.334 91.553,20.337 95.238,20.337 95.238,20.989 94.039,20.989 93.632,21.284 92.682,21.284 92.127,21.839 91.55,21.839 ccw(c91.55,21.612) 91.322,21.611
+3v3 on Top Layer "+3V3_L01_P070" (solid, pour order 70): 115.537,51.333 ccw(c115.764,51.333) 115.764,51.106 115.767,51.109 119.453,51.109 119.453,51.761 118.254,51.761 117.846,52.056 116.896,52.056 116.341,52.611 115.764,52.611 ccw(c115.764,52.384) 115.537,52.384
+3v3 on Top Layer "+3V3_L01_P075" (solid, pour order 75): 98.284,48.666 ccw(c98.511,48.666) 98.511,48.439 98.514,48.442 102.2,48.442 102.2,49.094 101,49.094 100.593,49.389 99.643,49.389 99.088,49.944 98.511,49.944 ccw(c98.511,49.717) 98.284,49.717
+3v3 on Top Layer "+3V3_L01_P080" (solid, pour order 80): 78.21,35.933 ccw(c78.438,35.933) 78.438,35.705 78.44,35.708 82.126,35.708 82.126,36.36 80.927,36.36 80.52,36.655 79.57,36.655 79.015,37.21 78.438,37.21 ccw(c78.438,36.983) 78.21,36.983
+12V0 on Top Layer "+12V0_L01_P082" (solid, pour order 82): 57.456,42.236 cw(c57.356,42.236) 57.349,42.137 56.314,42.137 55.613,41.435 50.266,41.428 49.934,41.759 49.934,43.076 50.334,43.476 55.374,43.476 56.314,42.536 57.356,42.536 cw(c57.356,42.437) 57.456,42.436
NetC23_2 on Top Layer "NETC23_2_L01_P084" (solid, pour order 84): 57.381,43.874 56.894,44.361 56.894,45.25 58.093,45.25 58.093,44.336 57.631,43.874 57.631,43.399 cw(c57.568,43.399) 57.568,43.336 57.443,43.336 cw(c57.443,43.399) 57.381,43.399
ARM_L_int on Top Layer "ARM_L_INT_L01_P088" (solid, pour order 88): 37.69,62.64 38.354,61.976 40.64,61.976 41.137,61.457 43.566,59.027 43.566,57.302 47.166,57.302 47.166,59.027 47.266,59.128 47.266,60.177 48.095,61.006 48.095,61.618 49.907,63.43 60.014,63.43 65.532,57.912 105.918,57.912 113.03,65.024 113.03,74.794 112.848,74.976 112.848,75.826 112.747,75.926 112.747,77.851 109.147,77.851 109.147,75.926 109.047,75.826 109.047,74.553 108.918,74.425 108.918,72.098 102.861,66.04 85.344,66.04 83.82,67.564 83.82,74.828 83.593,75.054 83.593,75.904 83.493,76.005 83.493,77.929 79.893,77.929 79.893,76.005 79.792,75.904 79.792,75.054 79.664,74.926 79.664,73.06 76.708,70.104 67.624,70.104 62.522,75.206 62.522,78.706 60.298,80.93 40.29,80.93 37.69,78.33
+5V on Top Layer "Top Layer-+5V" (solid, pour order 110): 82.804,40.132 82.042,40.894 82.042,57.15 82.55,57.658 83.566,57.658 84.074,57.15 84.074,42.418 85.442,41.05 86.96,41.05 88.198,39.812 102.55,39.812 111.413,48.675 112.05,48.675 112.05,41.438 105.156,34.544 96.266,34.544 96.012,34.29 96.012,29.972 94.224,28.184 78.785,28.184 78.785,33.274 80.88,33.274 82.804,35.198
+12V0 on Top Layer "+12V0_L01_P063" (solid, pour order 63): 86.212,12.974 84.074,15.112 84.074,15.981 85.995,17.902 87.836,17.902 87.836,12.974
ARM_L on Top Layer "ARM_L_L01_P124" (solid, pour order 124): 109.047,80.026 112.848,80.026 112.848,86.817 114.501,88.47 114.501,98.825 114.09,99.236 109.518,99.236 108.502,98.22 108.502,92.124 108.502,80.57
ARM_R on Top Layer "ARM_R_L01_P116" (solid, pour order 116): 79.792,80.104 83.593,80.104 83.593,86.895 85.852,89.154 85.852,98.298 84.836,99.314 80.264,99.314 79.248,98.298 79.248,92.202 79.248,80.649
NetC50_2 on Top Layer "Top Layer-No Net 1" (solid, pour order 105): 117.311,42.547 124.039,42.547 124.039,45.909 123.466,46.482 119.38,46.482 117.187,48.675 116.111,48.675 116.111,47.185 116.109,47.185 116.109,43.747 116.111,43.747
+3v3 on Top Layer "Top Layer-No Net 2" (solid, pour order 114): 98.858,40.894 102.87,40.894 103.378,41.402 103.378,44.196 102.87,44.704 101.346,44.704 100.042,46.008 98.858,46.008
+3V3_R on Top Layer "Top Layer-+3V3_R" (solid, pour order 102): 93.138,46.008 91.642,47.504 90.73,47.504 90.73,47.12 86.96,43.35 84.81,43.35 84.81,42.4 86.96,42.4 88.28,41.08 94.797,41.08 94.797,46.008
NetE1_A1 on Top Layer "NETE1_A1_L01_P108" (solid, pour order 108): 26.924,100.076 48.006,100.076 50.292,97.79 50.292,88.519 47.879,86.106 33.96,86.106 28.626,80.772 24.638,80.772 22.606,82.804 22.606,95.758
+5V_R on Top Layer "Top Layer-+5V_R" (solid, pour order 99): 39.878,31.242 43.21,27.91 71.12,27.91 74.312,27.91 74.731,28.329 74.731,31.768 74.723,31.768 74.723,33.274 73.811,33.274 73.1,32.562 73.1,31.768 71.356,31.768 68.737,34.387 39.878,34.387
+12V0 on Top Layer "+12V0_L01_P094" (solid, pour order 94): 47.266,54.277 48.26,53.284 48.26,50.26 47.784,49.784 43.942,49.784 43.466,50.26 43.466,55.127 47.266,55.127
+12V0 on Top Layer "+12V0_L01_P090" (solid, pour order 90): 59.056,42.236 ccw(c59.156,42.236) 59.162,42.137 60.198,42.137 60.898,41.435 66.225,41.428 66.548,41.751 66.548,43.105 66.177,43.476 61.138,43.476 60.198,42.536 59.156,42.536 ccw(c59.156,42.437) 59.056,42.436
NetC13_1 on Top Layer "NETC13_1_L01_P083" (solid, pour order 83): 58.706,42.561 58.706,40.085 59.381,39.41 60.256,39.41 60.256,35.56 56.256,35.56 56.256,39.41 57.13,39.41 57.806,40.085 57.806,42.561 cw(c57.881,42.561) 57.881,42.636 58.631,42.636 cw(c58.631,42.561)
NetC46_1 on Top Layer "NETC46_1_L01_P076" (solid, pour order 76): 78.019,34.827 79.697,34.827 79.697,33.969 76.91,33.969 76.91,36.983 cw(c77.138,36.983) 77.138,37.21 cw(c77.138,36.983) 77.365,36.983 77.365,35.481
NetC46_2 on Top Layer "NETC46_2_L01_P079" (solid, pour order 79): 75.606,34.827 73.806,34.827 73.806,33.969 76.715,33.969 76.715,36.983 ccw(c76.488,36.983) 76.488,37.21 ccw(c76.488,36.983) 76.26,36.983 76.26,35.481
NetC38_1 on Top Layer "NETC38_1_L01_P066" (solid, pour order 66): 115.346,50.228 117.023,50.228 117.023,49.369 114.237,49.369 114.237,52.384 cw(c114.464,52.384) 114.464,52.611 cw(c114.464,52.384) 114.692,52.384 114.692,50.882
NetC38_2 on Top Layer "NETC38_2_L01_P069" (solid, pour order 69): 112.933,50.228 111.133,50.228 111.133,49.369 114.042,49.369 114.042,52.384 ccw(c113.814,52.384) 113.814,52.611 ccw(c113.814,52.384) 113.587,52.384 113.587,50.882
+3v3 on Top Layer "+3V3_L01_P058" (solid, pour order 58): 118.101,26.677 118.268,26.51 119.753,26.51 119.763,26.52 120.405,26.52 120.521,26.403 120.521,25.652 120.338,25.469 117.356,25.469 116.828,25.997 116.828,26.522 116.982,26.677
+3v3 on Top Layer "+3V3_L01_P059" (solid, pour order 59): 109.22,24.384 108.966,24.13 108.458,24.13 108.212,24.376 108.212,25.525 104.663,25.525 104.135,26.054 104.135,26.579 104.289,26.733 105.408,26.733 105.565,26.576 109.06,26.576 109.22,26.416
+3v3 on Top Layer "+3V3_L01_P060" (solid, pour order 60): 118.101,26.677 118.258,26.52 121.856,26.52 121.856,25.469 117.356,25.469 116.828,25.997 116.828,26.522 116.982,26.677
NetC22_1 on Top Layer "NETC22_1_L01_P061" (solid, pour order 61): 91.131,19.456 92.809,19.456 92.809,18.597 90.022,18.597 90.022,21.611 cw(c90.25,21.611) 90.25,21.839 cw(c90.25,21.611) 90.477,21.611 90.477,20.11
NetC22_2 on Top Layer "NETC22_2_L01_P064" (solid, pour order 64): 88.719,19.456 86.924,19.456 86.923,18.597 89.827,18.597 89.827,21.611 ccw(c89.6,21.611) 89.6,21.839 ccw(c89.6,21.611) 89.372,21.611 89.372,20.11
NetC43_2 on Top Layer "NETC43_2_L01_P074" (solid, pour order 74): 95.68,47.561 93.88,47.561 93.88,46.702 96.788,46.702 96.788,49.717 ccw(c96.561,49.717) 96.561,49.944 ccw(c96.561,49.717) 96.334,49.717 96.334,48.215
NetC43_1 on Top Layer "NETC43_1_L01_P071" (solid, pour order 71): 98.092,47.561 99.77,47.561 99.77,46.702 96.984,46.702 96.984,49.717 cw(c97.211,49.717) 97.211,49.944 cw(c97.211,49.717) 97.438,49.717 97.438,48.215
CHASSIS on Bottom Layer "Bottom Layer-CHASSIS" (solid, pour order 142): 5,102 123,102 cw(c123,100) 125,100 125,91.159 124.773,90.932 118.364,90.932 116.268,93.028 116.268,98.346 114.665,99.949 79.756,99.949 78.486,98.679 78.486,94.742 78.115,94.371 62.728,94.371 57.658,99.441 9.441,99.441 5,95 4.994,94.994 4.994,91.125 1.778,87.91 1.778,8.509 8.119,2.168 67.802,2.168 70.841,5.207 88.9,5.207 97.028,13.335 99.695,13.335 100.203,12.827 100.203,6.629 98,4.426 98,0 1.988,0 cw(c1.988,1.994) -0.006,1.994 -0.006,99.994 cw(c2,99.994) 2,102
GND on Bottom Layer "GND" (solid, pour order 143): 0,2 0,100 cw(c2,100) 2,102 123,102 cw(c123,100) 125,100 125,2 cw(c123,2) 123,0 2,0 cw(c2,2)
+5V on Bottom Layer "+5V_L04_P118" (solid, pour order 118): 82.296,32.414 81.729,32.982 80.265,32.982 79.756,32.473 79.756,25.92 77.712,23.876 11.176,23.876 9.021,21.721 9.021,17.649 9.652,17.018 10.922,17.018 11.684,17.78 11.684,20.574 12.954,21.844 79.248,21.844 82.296,24.892
+12V0 on Bottom Layer "+12V0_L04_P093" (solid, pour order 93): 47.266,54.277 51.054,50.49 60.992,50.49 66.548,44.934 66.548,42.136 50.036,42.136 47.24,39.34 44.514,39.34 43.466,40.388 43.466,55.127 47.266,55.127
ARM_L_int on Bottom Layer "ARM_L_INT_L04_P098" (solid, pour order 98): 113.03,79.738 113.03,65.024 103.583,55.577 43.075,55.577 37.69,60.963 37.69,78.33 40.29,80.93 111.838,80.93
ARM_R on Bottom Layer "ARM_R_L04_P127" (solid, pour order 127): 79.248,81.358 83.593,81.358 83.593,86.895 85.852,89.154 85.852,98.298 84.836,99.314 80.264,99.314 79.248,98.298 79.248,92.202
ARM_L on Bottom Layer "ARM_L_L04_P126" (solid, pour order 126): 108.502,81.28 112.848,81.28 112.848,86.817 115.106,89.076 115.106,98.22 114.09,99.236 109.518,99.236 108.502,98.22 108.502,92.124
NetE1_A1 on Bottom Layer "NETE1_A1_L04_P106" (solid, pour order 106): 26.289,99.441 48.641,99.441 50.292,97.79 50.292,88.519 47.879,86.106 33.96,86.106 28.626,80.772 24.638,80.772 22.606,82.804 22.606,95.758
GND on Layer 2 "GND" (solid, pour order 131): 0,2 0,100 cw(c2,100) 2,102 123,102 cw(c123,100) 125,100 125,2 cw(c123,2) 123,0 2,0 cw(c2,2)
ARM_L_int on Layer 2 "ARM_L_INT_L03_P095" (solid, pour order 95): 113.03,79.738 113.03,65.024 103.583,55.577 43.075,55.577 37.69,60.963 37.69,78.33 40.29,80.93 111.838,80.93
+3v3 on Layer 2 "+3V3_L03_P117" (solid, pour order 117): 99.903,29.129 94.039,23.265 94.039,20.337 94.564,19.812 96.774,19.812 100.838,23.876 118.554,23.876 119.98,25.302 119.98,35.468 110.93,44.518 101.046,44.518 99.903,43.375 99.903,39.451
+12V0 on Layer 2 "+12V0_L03_P130" (solid, pour order 130): 87.836,12.974 86.212,12.974 58.916,40.27 58.916,42.703 60.448,44.234 68.266,44.234 81.026,31.474 81.026,28.194 87.836,21.384
ARM_R on Layer 2 "ARM_R_L03_P128" (solid, pour order 128): 79.248,81.358 83.593,81.358 83.593,86.895 85.852,89.154 85.852,98.298 84.836,99.314 80.264,99.314 79.248,98.298 79.248,92.202
ARM_L on Layer 2 "ARM_L_L03_P121" (solid, pour order 121): 108.502,81.28 112.848,81.28 112.848,86.817 115.106,89.076 115.106,98.22 114.09,99.236 109.518,99.236 108.502,98.22 108.502,92.124
NetE1_A1 on Layer 2 "NETE1_A1_L03_P107" (solid, pour order 107): 26.924,100.076 48.006,100.076 50.292,97.79 50.292,88.519 47.879,86.106 33.96,86.106 28.626,80.772 24.638,80.772 22.606,82.804 22.606,95.758
GND on Layer 1 "GND_L02_P119" (solid, pour order 119): 0,2 0,100 cw(c2,100) 2,102 123,102 cw(c123,100) 125,100 125,2 cw(c123,2) 123,0 2,0 cw(c2,2)
+5V on Layer 1 "+5V_L02_P111" (solid, pour order 111): 97.79,82.804 97.282,83.312 96.012,83.312 95.504,82.804 95.504,71.12 83.82,59.436 82.042,59.436 68.834,72.644 68.834,82.804 68.326,83.312 66.802,83.312 66.294,82.804 66.294,72.898 82.042,57.15 82.042,55.372 82.296,55.118 83.82,55.118 84.074,55.372 84.074,57.15 97.79,70.866

## Silkscreen, mask and mechanical layers (free items; w line width, h text height)
Top Overlay:
  text "OC" at 68.104,90.425 h1.7 r90
  text "GOK" at 69.882,90.425 h1.7 r90
  text "ON" at 71.71,90.425 h1.7 r90
  text "OC" at 97.358,90.297 h1.7 r90
  text "GOK" at 99.136,90.297 h1.7 r90
  text "ON" at 100.964,90.297 h1.7 r90
  text "TEMP" at 87.171,86.781 h1.7 r90
  text "I_MON" at 89.068,86.781 h1.7 r90
  text "EN" at 90.945,86.781 h1.7 r90
  text "GOK" at 92.859,86.781 h1.7 r90
  text "OC" at 94.774,86.781 h1.7 r90
  text "V_TEMP" at 116.124,86.704 h1.7 r90
  text "I_MON" at 118.322,86.703 h1.7 r90
  text "EN" at 120.2,86.703 h1.7 r90
  text "GOK" at 122.114,86.703 h1.7 r90
  text "OC" at 124.028,86.703 h1.7 r90
  text "PWM" at 120.571,64.389 h1.7
  text "ON" at 64.135,60.343 h1.7
  text "LED_PWR" at 116.84,59.611 h1.7
  text "GOK" at 64.135,58.692 h1.7
  text "OC" at 64.135,57.041 h1.7
  text "OC" at 30.752,51.054 h1.7 r270
  text "3V3" at 87.122,50.311 h1.7
  text "5V" at 68.689,48.895 h1.7 r90
  text "V_TEMP" at 41.3,48.521 h1.7 r330
  text "GOK" at 34.199,48.492 h1.7 r270
  text "EN" at 36.113,48.492 h1.7 r270
  text "I_MON" at 38.124,47.632 h1.7 r330
  text "SCL0" at 26.338,26.946 h1.7 r90
  text "SDA0" at 29.75,26.946 h1.7 r90
  text "SDA1" at 35.702,26.946 h1.7 r90
  text "SCL1" at 39.115,26.946 h1.7 r90
  text "SCL2" at 45.067,26.946 h1.7 r90
  text "SDA2" at 48.506,26.946 h1.7 r90
  text "EN_5V" at 68.453,22.273 h1.7
  text "EN_R" at 76.214,15.151 h1.7
  text "EN_L" at 76.46,9.136 h1.7
Board:
  lines w0.1: 98.158,0 2,0 cw(c2,2) 0,2 0,100 cw(c2,100) 2,102 123,102 cw(c123,100) 125,100 125,2 cw(c123,2) 123,0 113.424,0.025

## Text inside footprints (layer, text, board x,y; h text height)
C49: Top Overlay "+" at 61.202,74.605 h1.65 r270
E1: Top Overlay "A1" at 10.16,78.613 h1.65